# KiCad board Left.kicad_pcb (continued)
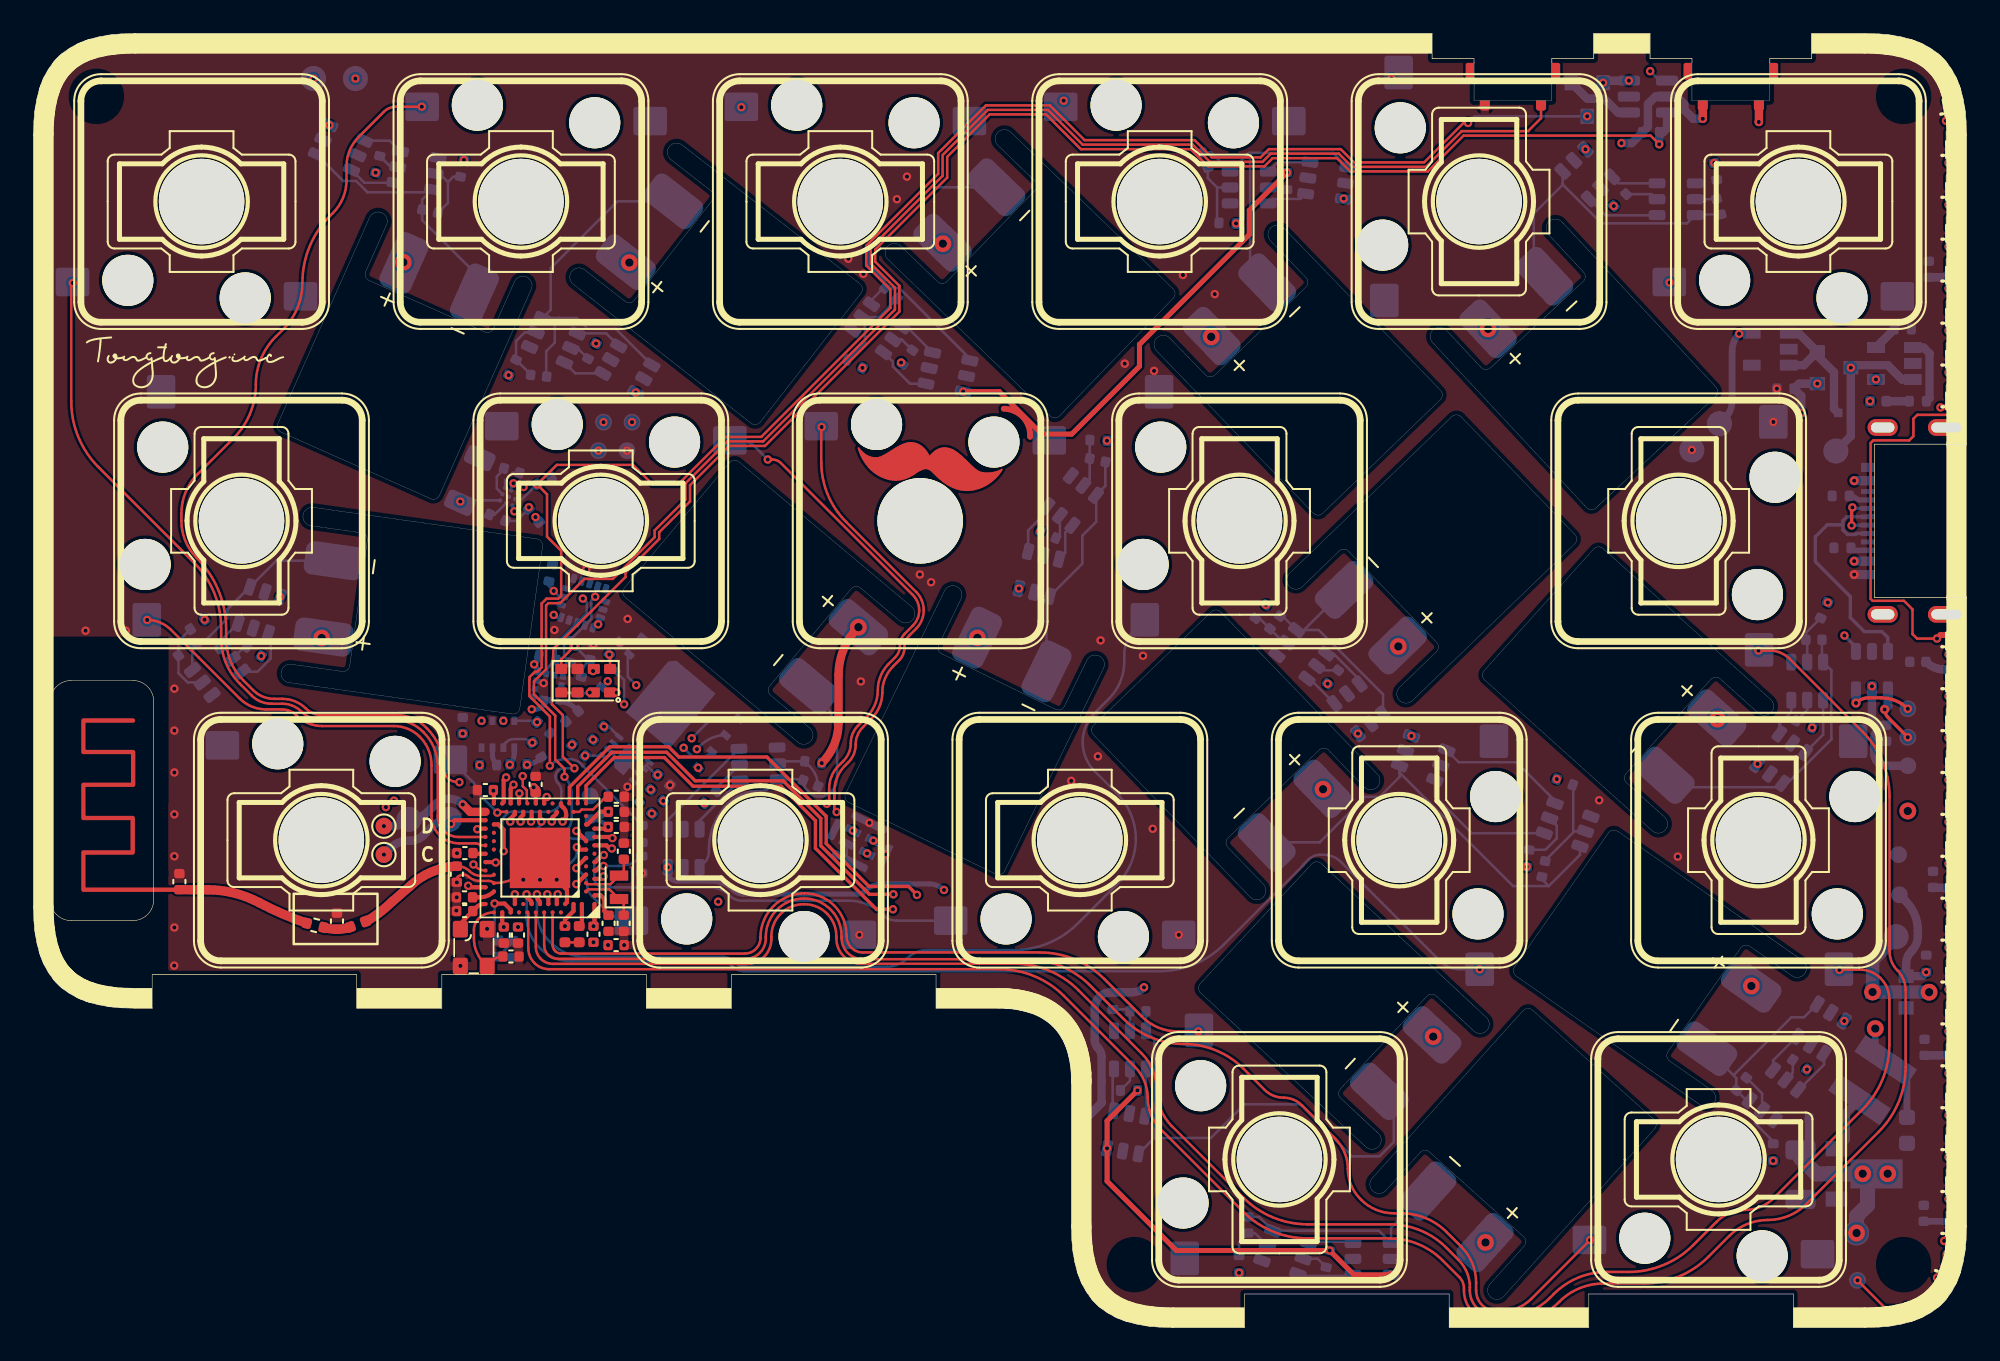
[diagram p0: board, top side]
## Footprints (pads in the part's own frame, mm; a bottom-side part is the same pattern mirrored in y, then rotated) (continued)
SOT-23-6-Small#2
  rrect 1x0.6 smd: 1(-1.137,0.95) 2(-1.137,0) 3(-1.137,-0.95) 4(1.137,-0.95) 5(1.137,0) 6(1.137,0.95)
SOT-89-3
  rect 1.3x0.9 smd: 1(-1.65,1.5) 3(-1.65,-1.5)
  custom 4.6x1.733 smd: 2(-1.562,0)
SPK0415HM4H
  rrect 0.45x0.95 smd: 1(0.425,-0.675) 2(0.425,0.675) 3(-0.425,0.675) 4(-0.425,-0.675)
  rrect 1.3x0.45 smd: 5(0,-1.688) 7(0,1.688)
  rrect 0.45x2.3 smd: 6(1.275,0.05) 8(-1.275,0)
TestPoint_Pad_D1.0mm
  round 1 smd: 1(0,0)
TestPoint_Pad_D1.5mm
  round 1.5 smd: 1(0,0)
USB-C_C168688
  rect 0.54x0.8 smd: A1(-3.205,-0.4) A1(3.195,-0.4) A4(-2.405,-0.4) A4(2.395,-0.4)
  rect 0.3x0.8 smd: A5(1.245,-0.4) A6(0.245,-0.4) A7(-0.255,-0.4) A8(-1.255,-0.4) B5(-1.755,-0.4) B6(-0.755,-0.4) B7(0.745,-0.4) B8(1.753,-0.4)
  oval 1x2.2 hole 0.6x1.8: S1(-5.58,4.3) S2(5.57,4.3)
  oval 1x1.8 hole 0.6x1.4: S3(5.571,0.5) S4(-5.58,0.5)
WLP-9_1.448x1.468mm_Layout3x3_P0.4mm_Ball0.27mm_Pad0.25mm
  round 0.27 smd: A1(-0.4,0.4) A2(0,0.4) A3(0.4,0.4) B1(-0.4,0) B2(0,0) B3(0.4,0) C1(-0.4,-0.4) C2(0,-0.4) C3(0.4,-0.4)
WSON8
  rrect 0.6x0.4 smd: 1(-3.75,1.905) 2(-3.75,0.635) 3(-3.75,-0.635) 4(-3.77,-1.905) 5(3.73,-1.905) 6(3.75,-0.635) 7(3.75,0.635) 8(3.75,1.905)
  rrect 3.4x4.3 smd: 9(0,0)

## Nets
/ExtVcc/GND_EN: Q33.1 R46.1 REF**#21.1 U30.R1
/Filter&Reg/VBAT: C42.1 Q1.3 Q2.3 R40.1 REF**#7.1 U31.B1 U33.3
GND: C16.1 C17.1 C18.1 C19.1 C20.1 C21.2 C22.2 C23.2 C24.1 C25.1 C26.1 C27.1 C28.1 C29.2 C30.2 C31.1 C32.1 C33.1 C34.1 C35.1 C36.1 C37.1 C38.2 C39.1 C40.2 C41.1 C42.2 C43.2 C44.2 C45.1 C46.2 C47.1 C48.1 C49.2 J1.A1 K1.1 K2.2 K3.2 K4.2 K5.1 K6.1 K7.2 K8.1 K9.2 K10.2 K11.1 K12.1 K13.1 K14.1 K15.1 K16.1 K17.1 K18.1 Q33.2 R1.2 R33.2 R34.2 R38.2 R41.2 R42.2 R45.2 R46.2 R47.2 R50.1 REF**#4.1 REF**#5.1 REF**#8.1 REF**#16.1 U1.2 U28.2 U29.2 U30.B7 U30.EP U30.F23 U31.A3 U32.1 U33.2 U34.4 U34.8 U34.9 U34.10 U34.11 U34.12 U34.13 U34.15 U35.1 U35.7 U36.2 U36.7 U36.8 U36.9 U37.6 U38.2 U38.5 U38.6 U38.7 U38.8 U39.4 U40.2 U40.3 U40.9 U40.12 X2.2 X2.4
GND1: Q3.3 Q4.3 Q5.3 Q6.3 Q7.3 Q8.3 Q9.3 Q10.3 Q19.3 Q20.3 Q21.3 Q22.3 Q27.3 Q28.3 R2.2 R3.1 R4.1 R5.1 R6.1 R7.1 R8.1 R9.1 R10.1 R19.1 R20.1 R21.1 R22.1 R27.1 R28.1 R42.1 REF**#14.1 TH1.2 U2.2 U3.2 U31.C3
VBUS: C21.1 D1.2 D4.2 J1.A4 Q1.1 R1.1 REF**#13.1 U28.5 U30.AD2 U33.4
/BAROMETRIC/CSB: R48.1 U35.2
/BAROMETRIC/NRF_VDD: C24.2 C25.2 C28.2 C31.2 C32.2 C33.2 C43.1 C45.2 C46.1 C47.2 C48.2 L4.1 R35.2 R36.2 R37.2 R48.2 R49.2 R51.2 R52.2 R53.2 R54.2 R55.2 R56.2 REF**#19.1 REF**#22.1 U1.5 U30.A22 U30.AD14 U30.AD23 U30.B1 U30.W1 U30.Y2 U34.1 U34.5 U34.16 U35.6 U35.8 U36.5 U36.6 U37.5 U37.8 U38.1 U39.8 U40.5 U40.6 U40.10
/BAROMETRIC/SDO: R50.2 U35.5
/FLASH/QSPI_CS: U30.AD16 U39.1
/FLASH/QSPI_DATA0: U30.AD12 U39.5
/FLASH/QSPI_DATA1: U30.AD18 U39.2
/FLASH/QSPI_DATA2: U30.AC19 U39.3
/FLASH/QSPI_DATA3: U30.AC17 U39.7
/FLASH/QSPI_SCK: U30.AC15 U39.6
/FuelGauge/BatteryPin: R40.2 R41.1 U30.J1
/Gyro/Gyro_Interupt: R47.1 U30.B19 U34.7
/LEDLane/DIN: REF**#20.1 U27.4 U30.W24
/LEDLane/Led_Ground: Q33.3 REF**#11.1 U4.3 U5.3 U6.3 U7.3 U8.3 U9.3 U10.3 U11.3 U12.3 U13.3 U14.3 U15.3 U16.3 U17.3 U18.3 U19.3 U20.3 U21.3 U22.3 U23.3 U24.3 U25.3 U26.3 U27.3
/LEDLane/Led_Vin: C16.2 C17.2 C18.2 C19.2 C20.2 C44.1 D3.1 REF**#3.1 REF**#18.1 U4.2 U5.2 U6.2 U7.2 U8.2 U9.2 U10.2 U11.2 U12.2 U13.2 U14.2 U15.2 U16.2 U17.2 U18.2 U19.2 U20.2 U21.2 U22.2 U23.2 U24.2 U25.2 U26.2 U27.2 U32.2
/LIGHT/APDS_IRQ: R54.1 U30.AD22 U37.2
/MCU/BatOffPin: R2.1 U3.3 U30.Y23
/MCU/D+: REF**#17.1 U28.4 U30.AD6
/MCU/D-: REF**#23.1 U28.6 U30.AD4
/MCU/PDM_CLK: U30.H2 U38.3
/MCU/PDM_DAT: U30.G1 U38.4
/MCU/SWC: REF**#2.1 REF**#6.1 U30.AA24
/MCU/SWD: REF**.1 REF**#9.1 U30.AC24
B1-: B1.1 C1.2 Q3.1 Q11.6
B2-: B2.1 C2.2 Q4.1 Q12.6
B3-: B3.1 C3.2 Q5.1 Q13.6
B4-: B4.1 C4.2 Q6.1 Q14.6
B5-: B5.1 C5.2 Q7.1 Q15.6
B6-: B6.1 C6.2 Q8.1 Q16.6
B7-: B7.1 C7.2 Q9.1 Q17.6
B8-: B8.1 C8.2 Q10.1 Q18.6
B9-: B9.1 C9.2 Q19.1 Q23.6
B10-: B10.1 C10.2 Q20.1 Q24.6
B11-: B11.1 C11.2 Q21.1 Q25.6
B12-: B12.1 C12.2 Q22.1 Q26.6
B13-: B13.1 C13.2 Q27.1 Q30.6
B14-: B14.1 C14.2 Q28.1 Q31.6
B+: B1.2 B2.2 B3.2 B4.2 B5.2 B6.2 B7.2 B8.2 B9.2 B10.2 B11.2 B12.2 B13.2 B14.2 Q2.2 R11.1 R12.1 R13.1 R14.1 R15.1 R16.1 R17.1 R18.1 R23.1 R24.1 R25.1 R26.1 R30.1 R31.1 REF**#12.1 U3.6
CC1: J1.A5 R33.1
CC2: J1.B5 R34.1
DCCH: U30.AB2
P0.02: K18.2 U30.A12
P0.03: K10.1 U30.B13
P0.06: K14.2 U30.L1
P0.07: K13.2 U30.M2
P0.08: U30.N1
P0.09: K3.1 U30.L24
P0.10: K4.1 U30.J24
P0.13: K6.2 U30.AD8
P0.14: K5.2 U30.AC9
P0.15: U30.AD10
P0.16: U30.AC11
P0.24: K2.1 U30.AD20
P0.25: K12.2 U30.AC21
P0.28: K9.1 U30.B11
P0.29: K17.2 U30.A10
P0.30: K8.2 U30.B9
P0.31: U30.A8
P1.03: U30.V23
P1.04: K1.2 U30.U24
P1.05: U30.T23
P1.06: K7.1 U30.R24
P1.07: U30.P23
P1.12: U30.B17
P1.13: K11.2 U30.A16
P1.14: K15.2 U30.B15
P1.15: K16.2 U30.A14
PROG: U30.K2
SCL: R36.1 R49.1 R53.1 R55.1 REF**#10.1 U30.T2 U31.A2 U34.2 U35.4 U36.4 U37.7 U40.1
SDA: R37.1 R51.1 R52.1 R56.1 REF**#15.1 U30.U1 U31.C1 U34.3 U35.3 U36.1 U37.1 U40.11
Net-(AE1-Pad1): AE1.1 C40.1 R39.2
Net-(C1-Pad1): C1.1 Q11.5 R11.2
Net-(C2-Pad1): C2.1 Q12.5 R12.2
Net-(C3-Pad1): C3.1 Q13.5 R13.2
Net-(C4-Pad1): C4.1 Q14.5 R14.2
Net-(C5-Pad1): C5.1 Q15.5 R15.2
Net-(C6-Pad1): C6.1 Q16.5 R16.2
Net-(C7-Pad1): C7.1 Q17.5 R17.2
Net-(C8-Pad1): C8.1 Q18.5 R18.2
Net-(C9-Pad1): C9.1 Q23.5 R23.2
Net-(C10-Pad1): C10.1 Q24.5 R24.2
Net-(C11-Pad1): C11.1 Q25.5 R25.2
Net-(C12-Pad1): C12.1 Q26.5 R26.2
Net-(C13-Pad1): C13.1 Q30.5 R30.2
Net-(C14-Pad1): C14.1 Q31.5 R31.2
Net-(C22-Pad1): C22.1 U30.D2 X1.1
Net-(C23-Pad1): C23.1 U30.F2 X1.2
Net-(C26-Pad2): C26.2 U30.C1
Net-(C27-Pad2): C27.2 U30.AC5
Net-(C29-Pad1): C29.1 C30.1 L1.1 U30.B5 U30.E24
Net-(C34-Pad2): C34.2 U30.N24
Net-(C35-Pad2): C35.2 L3.1 U30.H23
Net-(C36-Pad2): C36.2 U30.A23 X2.3
Net-(C37-Pad2): C37.2 U30.B24 X2.1
Net-(C38-Pad1): C38.1 U30.D23
Net-(C39-Pad2): C39.2 L3.2 R39.1
Net-(C41-Pad2): C41.2 U31.B3
Net-(C49-Pad1): C49.1 U40.4
Net-(D1-Pad1): D1.1 Q1.2 U1.1 U1.3
Net-(D2-Pad1): D2.1 R38.1
Net-(D2-Pad2): D2.2 U30.A20
Net-(D3-Pad2): D3.2 L4.2 U32.3
Net-(D4-Pad1): D4.1 R44.1
Net-(J1-PadA6): J1.A6 J1.B6 U28.3
Net-(J1-PadA7): J1.A7 J1.B7 U28.1
Net-(JP1-Pad1): JP1.1 JP2.2 R35.1 U29.3
Net-(JP1-Pad2): JP1.2 U30.P2
Net-(JP2-Pad1): JP2.1 U30.AC13
Net-(L1-Pad2): L1.2 L2.1
Net-(L2-Pad2): L2.2 U30.B3
Net-(Q2-Pad1): Q2.1 U3.4
Net-(Q10-Pad4): Q10.4 Q18.3
Net-(Q10-Pad6): Q10.6 Q18.1
Net-(Q11-Pad1): Q3.6 Q11.1
Net-(Q11-Pad2): Q11.2 R3.2
Net-(Q11-Pad3): Q3.4 Q11.3
Net-(Q12-Pad1): Q4.6 Q12.1
Net-(Q12-Pad2): Q12.2 R4.2
Net-(Q12-Pad3): Q4.4 Q12.3
Net-(Q13-Pad1): Q5.6 Q13.1
Net-(Q13-Pad2): Q13.2 R5.2
Net-(Q13-Pad3): Q5.4 Q13.3
Net-(Q14-Pad1): Q6.6 Q14.1
Net-(Q14-Pad2): Q14.2 R6.2
Net-(Q14-Pad3): Q6.4 Q14.3
Net-(Q15-Pad1): Q7.6 Q15.1
Net-(Q15-Pad2): Q15.2 R7.2
Net-(Q15-Pad3): Q7.4 Q15.3
Net-(Q16-Pad1): Q8.6 Q16.1
Net-(Q16-Pad2): Q16.2 R8.2
Net-(Q16-Pad3): Q8.4 Q16.3
Net-(Q17-Pad1): Q9.6 Q17.1
Net-(Q17-Pad2): Q17.2 R9.2
Net-(Q17-Pad3): Q9.4 Q17.3
Net-(Q18-Pad2): Q18.2 R10.2
Net-(Q19-Pad4): Q19.4 Q23.3
Net-(Q19-Pad6): Q19.6 Q23.1
Net-(Q20-Pad4): Q20.4 Q24.3
Net-(Q20-Pad6): Q20.6 Q24.1
Net-(Q21-Pad4): Q21.4 Q25.3
Net-(Q21-Pad6): Q21.6 Q25.1
Net-(Q22-Pad4): Q22.4 Q26.3
Net-(Q22-Pad6): Q22.6 Q26.1
Net-(Q23-Pad2): Q23.2 R19.2
Net-(Q24-Pad2): Q24.2 R20.2
Net-(Q25-Pad2): Q25.2 R21.2
Net-(Q26-Pad2): Q26.2 R22.2
Net-(Q27-Pad4): Q27.4 Q30.3
Net-(Q27-Pad6): Q27.6 Q30.1
Net-(Q28-Pad4): Q28.4 Q31.3
Net-(Q28-Pad6): Q28.6 Q31.1
Net-(Q30-Pad2): Q30.2 R27.2
Net-(Q31-Pad2): Q31.2 R28.2
Net-(R43-Pad1): R43.1 TH1.1 U31.A1
Net-(R43-Pad2): R43.2 U31.C2
Net-(R44-Pad2): R44.2 U33.1
Net-(R45-Pad1): R45.1 U33.5
Net-(U2-Pad3): U2.3 U3.1
Net-(U4-Pad4): U4.4 U5.1
Net-(U5-Pad4): U5.4 U6.1
Net-(U6-Pad4): U6.4 U7.1
Net-(U7-Pad4): U7.4 U8.1
Net-(U8-Pad4): U8.4 U9.1
Net-(U10-Pad1): U9.4 U10.1
Net-(U10-Pad4): U10.4 U11.1
Net-(U11-Pad4): U11.4 U12.1
Net-(U12-Pad4): U12.4 U13.1
Net-(U13-Pad4): U13.4 U14.1
Net-(U14-Pad4): U14.4 U15.1
Net-(U15-Pad4): U15.4 U16.1
Net-(U16-Pad4): U16.4 U17.1
Net-(U17-Pad4): U17.4 U18.1
Net-(U18-Pad4): U18.4 U19.1
Net-(U19-Pad4): U19.4 U20.1
Net-(U20-Pad4): U20.4 U21.1
Net-(U21-Pad4): U21.4 U22.1
Net-(U22-Pad4): U22.4 U23.1
Net-(U23-Pad4): U23.4 U24.1
Net-(U24-Pad4): U24.4 U25.1
Net-(U25-Pad4): U25.4 U26.1
Net-(U26-Pad4): U26.4 U27.1
Net-(U37-Pad3): U37.3 U37.4

Pads without a net: J1 A8 B8 S1 S2 S3 S4; Q3 2 5; Q4 2 5; Q5 2 5; Q6 2 5; Q7 2 5; Q8 2 5; Q9 2 5; Q10 2 5; Q11 4; Q12 4; Q13 4; Q14 4; Q15 4; Q16 4; Q17 4; Q18 4; Q19 2 5; Q20 2 5; Q21 2 5; Q22 2 5; Q23 4; Q24 4; Q25 4; Q26 4; Q27 2 5; Q28 2 5; Q30 4; Q31 4; U1 4; U2 1 4; U3 5; U4 1; U29 1 4; U30 A18; U31 B2; U34 6 14; U36 3; U39 9; U40 7 8

## Via types
v1: diameter 1, hole 0.5, Top to Bottom, 21 vias
v2: diameter 0.5, hole 0.25, Top to Bottom, 340 vias
v3: diameter 0.54, hole 0.25, Top to Bottom, 5 vias

## Routing (per net, layer and track width the routed paths; a pad name or vN(x,y) marks a point on that pad's centre or on a via; arc(x,y) is an arc through that point)
/ExtVcc/GND_EN: length 120.9
  Top w0.25: v2(34.5,28.58) 34.36,28.58 34.17,28.76 U30.R1
  In1.Cu w0.15: v2(112.9,21.2) arc(112.46,20.53) 112.3,19.75 112.3,10.4 arc(112.09,9.33) 111.48,8.42 arc(108.92,6.71) 105.9,6.11 102.52,6.11 arc(101.27,5.87) 100.22,5.16 99.11,4.05 arc(97.84,3.2) 96.33,2.9 92.61,2.9 arc(91.92,2.77) 91.33,2.37 arc(89.69,1.28) 87.76,0.89 86.46,0.89 arc(86.04,0.98) 85.69,1.21 arc(85.39,1.66) 85.29,2.18 85.29,2.24 arc(85.21,2.62) 85,2.94 arc(84.09,3.55) 83.02,3.76 76.9,3.76 arc(74.06,4.33) 71.66,5.93 71.18,6.41 arc(70.88,6.87) 70.77,7.4 arc(70.11,8.99) 68.52,9.65 68.4,9.65 arc(67.15,9.9) 66.1,10.61 64.66,12.05 arc(63.74,13.42) 63.42,15.03 63.42,15.24 arc(63.01,17.29) 61.85,19.03 arc(60.07,20.23) 57.96,20.64 57.55,20.64 arc(56.21,20.91) 55.07,21.67 54.7,22.04 arc(52.15,23.75) 49.15,24.34 48.62,24.34 arc(48.19,24.43) 47.82,24.68 47.55,24.94 arc(46.83,25.42) 45.98,25.59 45.84,25.59 arc(45.03,25.43) 44.34,24.97 44.16,24.79 arc(43.78,24.54) 43.34,24.45 43.2,24.45 arc(42.59,24.57) 42.07,24.92 41.45,25.54 arc(40.67,26.07) 39.74,26.25 38.86,26.25 arc(38.15,26.11) 37.55,25.71 37.51,25.66 arc(36.88,25.24) 36.13,25.09 33.6,25.09 arc(32.79,25.25) 32.1,25.71 arc(31.85,26.09) 31.76,26.53 31.76,27.44 arc(31.94,27.87) 32.37,28.05 32.55,28.05 arc(32.92,28.13) 33.23,28.33 33.44,28.54 arc(33.6,28.65) 33.78,28.68 34.24,28.68 arc(34.38,28.66) v2(34.5,28.58)
  Bottom w0.5: REF**#21.1 111.67,25.44 arc(112.21,24.64) 112.4,23.68 112.4,23.37 arc(112.3,22.87) 112.02,22.45 arc(111.78,22.1) 111.7,21.68 Q33.1 112.67,20.96 v2(112.9,21.2)
/Filter&Reg/VBAT: length 140.9
  Top w0.15: v2(30.8,33.51) 30.8,36.45 29.58,37.67 29.58,38.69 29.6,38.81 29.91,39.12 30.04,39.12 30.3,39.38 30.3,43.19 30.6,43.48 31.3,43.48 31.47,43.66 31.47,46.34 30.63,47.18 30.63,49.7 v2(30.04,50.29) 31.21,51.46 35.76,51.46 36.93,50.29 38.44,50.29 41.28,53.13 43.41,53.13 51.11,60.84 51.11,61.92 49.67,63.36 49.67,64.54 53.96,68.83 53.96,70.06 56.81,72.91 60.62,72.91 62.7,70.84 69.26,70.84 70.28,69.81 73.2,69.81 73.69,70.3 77.97,70.3 78.76,69.51 82.95,69.51 85.3,71.86 v2(85.57,71.86)
  In1.Cu w0.5: v2(108.4,57.26) arc(107.77,57.39) 107.24,57.74 104.11,60.87 arc(103.72,61.46) 103.58,62.15 103.58,62.81 arc(103.43,63.57) 103,64.21 98.85,68.36 arc(98.62,68.52) 98.34,68.57 arc(97.99,68.64) 97.69,68.84 95.4,71.14 arc(94.15,71.97) v2(92.68,72.26)
  Bottom w0.15: C42.1 29.13,49.41 U31.B1 ; v2(30.8,33.51) 30.84,33.55 arc(31.23,33.81) 31.69,33.9 32,33.9 arc(32.34,33.84) 32.63,33.64 36.3,29.98 arc(36.31,29.96) R40.1 ; v2(92.68,72.26) 85.97,72.26 v2(85.57,71.86)
  Bottom w0.5: REF**#7.1 108.4,53.18 v2(108.4,57.26) 108.55,57.41 110.6,57.41 111.45,56.56 111.9,56.56
GND: length 13.1
  Top w0.15: C35.1 25.25,26.74 arc(25.27,26.82) 25.31,26.88 arc(25.44,26.97) 25.6,27 25.73,27 arc(25.83,26.98) 25.92,26.92 arc(26.23,26.72) 26.6,26.64 27.15,26.64 arc(27.32,26.61) U30.F23 arc(28.62,26.74) 29.59,27.4 U30.EP
  Top w0.25: v2(31.21,26.71) 31.82,26.1 31.82,25.37 U30.B7
  Bottom w0.15: U38.2 48.51,28.03 ; U31.A3 28.13,50.54 28.58,50.99 C41.1 ; U36.7 35.35,33.71 ; U40.9 30.28,38.59 v2(30.43,38.44) ; 34.85,33.91 U36.2
  Bottom w0.54: J1.A1 v3(108.6,44.92)
  vias: v2(0.62,71.57) v2(0.6,69.07) v2(0.6,66.57) v2(0.6,64.07) v2(0.6,61.57) v2(0.6,59.07) v2(0.6,56.57) v2(0.6,54.07) v2(0.6,51.57) v2(0.6,49.07) v2(0.6,46.57) v2(0.6,44.07) v2(0.6,41.57) v2(1.04,74.03) v2(2.67,75.92) v2(3.1,41.57) v2(5.09,76.56) v2(5.5,41.57) v2(7.59,76.6) v2(8.4,38.11) v2(8.4,35.61) v2(8.4,33.11) v2(8.4,30.61) v2(8.4,28.11) v2(8.4,23.86) v2(8.39,21.59) v2(10.09,76.6) v2(12.59,76.6) v2(15.09,76.6) v2(17.59,76.6) v2(20.09,76.6) v2(20.55,19.66) v2(22.59,76.6) v2(23.05,19.66) v2(25.25,26.55) v2(25.24,25.66) v2(25.22,24.87) v2(25.26,28.29) v2(25.46,21.57) v2(27.06,23.78) v2(29.21,26.71) v2(30.21,26.71) v2(31.07,41.61) v2(32.97,45.24) v2(33.4,40.78) v2(33.4,22.98) v2(34.96,40.88) v2(35.23,22.81) v2(35.4,52.31) v2(35.44,42.27) v2(35.43,32.26) v2(36.3,27.1) v2(37.7,19.66) v2(37.97,32.35) v2(40.2,19.66) v2(48.6,63.76) v2(49.35,38.54) v2(49.26,23.43) v2(49.5,62.86) v2(49.86,30.11) v2(50.82,28.22) v2(51.5,67.31) v2(52.1,68.66) v2(52.87,44.92) v2(53.54,44.46) v2(54.45,19.66) v2(56.95,19.66) v2(59.45,19.41) v2(61.55,18.01) v2(61.9,32.61) v2(62.45,15.66) v2(62.52,13.16) v2(62.52,10.66) v2(62.52,8.16) v2(62.52,5.66) v2(62.94,3.2) v2(63.49,34.07) v2(63.65,40.99) v2(64.56,1.29) v2(65.09,57.5) v2(66.18,40.07) v2(66.84,57.07) v2(66.76,29.75) v2(66.97,0.64) v2(68.31,23.43) v2(68.56,62.79) v2(69.47,0.6) v2(70.46,61.65) v2(71.64,0.6) v2(93.39,31.45) v2(94.76,76.59) v2(98.08,28.09) v2(98.92,52.35) v2(103.78,54.03) v2(103.99,56.01) v2(107.38,76.59) v2(109.88,76.57) v2(112.33,76.07) v2(114.13,74.33)
GND1: length 343.5
  Top w0.3: v2(74.77,68.9) 72.52,66.65 72.52,65.2 65.97,58.65 65.97,57.34 61.93,53.3 60.14,53.3 57.61,55.84 v2(55.46,55.84) ; v2(80.98,3.14) 78.76,3.14 v2(77.32,4.59) 68.17,4.59 64.04,8.73 v2(64.04,10.69) 64.04,12.33 v2(65.85,14.14)
  Top w0.35: 57.88,54.81 arc(59.02,54.32) 59.45,53.14
  Top w0.5: U2.2 99.57,72.11 v2(99.57,72.11)
  In1.Cu w0.3: v2(35.93,55.78) 33.95,57.76 arc(33.66,58.19) v2(33.56,58.7) ; v2(35.93,55.78) 36.63,55.78 arc(38.07,55.49) 39.3,54.67 40.08,53.89 arc(41.21,53.14) 42.54,52.87 arc(43.96,53.16) 45.17,53.96 46.22,55.02 arc(47.25,55.7) 48.46,55.94 arc(50,56.25) 51.3,57.12 v2(51.75,57.57) ; v2(35.93,55.78) 35,54.86 arc(34.83,54.6) 34.77,54.29 34.77,53.84 arc(34.73,53.64) 34.62,53.47 34.47,53.32 arc(34.19,53.14) 33.87,53.07 arc(33.62,53.02) 33.41,52.88 31.27,50.74 arc(30.88,50.16) 30.74,49.46 arc(30.68,49.17) 30.52,48.93 v2(29.94,48.35) arc(29.63,48.15) 29.27,48.07 28.74,48.07 arc(28.49,48.12) 28.28,48.26 28.12,48.42 arc(27.17,49.06) 26.06,49.28 v2(25.46,49.28) ; 98.21,28.99 v2(102.84,33.62) 104.23,35.01 arc(105.09,35.59) v2(106.1,35.79) ; 98.21,28.99 100.99,26.21 arc(101.38,25.95) 101.83,25.86 arc(102.59,25.71) 103.23,25.28 106.24,22.27 arc(106.57,21.78) 106.69,21.19 arc(106.84,20.44) 107.27,19.79 107.46,19.6 arc(107.87,19) v2(108.01,18.28) ; 98.21,28.99 96.96,28.99 arc(96.05,29.18) 95.27,29.69 94.97,29.99 arc(94.69,30.18) 94.37,30.24 94.17,30.24 arc(93.87,30.18) 93.61,30.01 92.51,28.91 arc(90.93,27.86) v2(89.07,27.49) ; v2(78.15,67.35) 76.32,67.35 v2(74.77,68.9) ; v2(94.26,66.91) 93.77,67.4 arc(92.88,68.73) v2(92.57,70.29) arc(92.99,70.57) 93.47,70.66 v2(94.72,70.66) ; v2(37.83,27.46) 37.83,27.52 arc(38.01,28.42) 38.52,29.18 39.59,30.25 arc(39.9,30.72) v2(40.01,31.28) ; v2(77.19,38.41) arc(76.91,38.46) 76.66,38.63 71.96,43.33 arc(70.98,43.98) 69.82,44.21 arc(68.88,44.03) 68.08,43.49 68.03,43.44 arc(67.33,42.98) 66.52,42.81 61.86,42.81 arc(60.19,43.15) v2(58.78,44.09) ; v2(54.31,26.1) arc(54.68,26.35) 55.12,26.44 57.79,26.44 arc(58.77,26.24) 59.6,25.69 63.99,21.3 arc(65.37,19.24) 65.85,16.8 v2(65.85,14.14) 65.85,16.8 arc(66.14,18.27) 66.97,19.51 72.23,24.77 arc(72.5,24.95) 72.82,25.01 72.88,25.01 arc(73.2,25.08) 73.47,25.26 73.83,25.62 arc(74.05,25.94) 74.12,26.33 74.12,26.44 arc(74.21,26.85) 74.44,27.21 78.26,31.02 arc(78.69,31.31) 79.2,31.41 arc(79.86,31.55) 80.42,31.92 80.57,32.06 80.78,32.06 80.91,32.2 arc(81.86,33.62) v2(82.19,35.29)
  In2.Cu w0.3: v2(78.15,67.35) 78.73,67.35 arc(80.93,67.79) 82.79,69.03 83.23,69.47 arc(84.6,70.39) 86.23,70.71 91.55,70.71 arc(92.11,70.6) v2(92.57,70.29) ; v2(16.7,74.51) 16.7,74.04 arc(16.95,72.79) v2(17.66,71.73) arc(17.67,71.66) 17.71,71.59 v2(20.41,68.9) arc(21.21,68.74) 21.89,68.28 24.95,65.22 arc(26.35,64.29) 27.99,63.96 29.39,63.96 arc(30.44,63.53) 30.88,62.47 30.88,61.64 arc(31.08,60.65) 31.64,59.82 32.18,59.27 arc(32.81,58.85) v2(33.56,58.7) ; v2(108.01,18.28) 106.25,16.53 arc(105.9,16.01) v2(105.78,15.4) ; v2(77.19,38.41) 78.18,37.42 arc(78.79,36.51) v2(79,35.43) 81.85,35.43 arc(82.03,35.4) v2(82.19,35.29) arc(82.57,33.41) 83.63,31.81 87.17,28.28 arc(88.04,27.69) v2(89.07,27.49) ; v2(58.78,44.09) arc(59.72,45.5) 60.05,47.17 v2(60.05,47.51) arc(58.96,47.73) 58.04,48.35 55.61,50.78 arc(54.82,51.96) 54.54,53.35 54.54,53.63 arc(54.78,54.82) v2(55.46,55.84) 55.12,56.18 arc(53.57,57.21) v2(51.75,57.57) ; v2(13.58,40.06) arc(14.42,41.32) 14.72,42.8 v2(14.72,43.59) 14.72,43.85 arc(14.83,44.43) 15.16,44.92 arc(15.4,45.29) 15.49,45.72 15.49,48.4 arc(15.63,49.08) 16.01,49.65 arc(16.41,49.92) 16.88,50.01 19.83,50.01 arc(20.71,49.84) 21.45,49.34 arc(22.1,48.91) 22.87,48.75 24.19,48.75 arc(24.87,48.89) v2(25.46,49.28)
  Bottom w0.15: v2(29.94,48.35) 29.94,48.26 TH1.2 ; U31.C3 25.57,49.34
  Bottom w0.3: v2(37.83,27.46) 37.83,27.17 arc(37.99,26.79) 38.37,26.63 40.42,26.63 arc(41.14,26.49) 41.75,26.08 arc(42,25.91) 42.31,25.85 49.14,25.85 arc(49.39,25.9) 49.6,26.04 arc(50.07,26.35) 50.61,26.46 53.44,26.46 arc(53.91,26.37) v2(54.31,26.1)
  Bottom w0.5: 98.01,73.44 98.47,72.98 98.47,72.64 99,72.11 v2(99.57,72.11) ; U3.2 96.75,73.44 96.3,72.99 96.3,71.63 95.33,70.66 v2(94.72,70.66)
VBUS: length 137.6
  Top w0.2: v2(51.26,24.95) 50.28,24.95 46.64,28.59 46.64,30.24 44.59,32.29 39.34,32.29 37.63,34 34.63,34 32.96,32.33 U30.AD2
  In2.Cu w0.2: v2(51.26,24.95) 53.66,22.55 arc(53.96,22.35) 54.31,22.28 arc(54.7,22.21) 55.03,21.99 55.75,21.26 arc(56.22,20.95) 56.76,20.84 58.25,20.84 arc(60.27,20.44) 61.99,19.29 62.07,19.22 arc(63.21,17.51) 63.61,15.49 63.61,14.4 arc(63.76,13.66) 64.18,13.04 64.26,12.95 arc(64.95,12.49) 65.76,12.33 66.04,12.33 arc(67.44,12.06) 68.62,11.27 71.98,7.9 arc(74.17,6.44) 76.76,5.92 80.48,5.92 arc(82,5.62) 83.3,4.75 85.33,2.73 arc(85.61,2.3) 85.71,1.8 85.71,1.7 arc(85.88,1.3) 86.28,1.13 90.4,1.13 arc(90.77,1.29) 90.92,1.65 90.92,1.77 arc(91.01,2.23) 91.27,2.61 arc(91.81,2.98) 92.45,3.1 96.43,3.1 arc(98.04,3.42) 99.4,4.33 101.19,6.12 arc(102.13,6.75) 103.24,6.97 arc(104.29,7.18) 105.19,7.78 106.09,8.69 arc(108.07,11.64) 108.76,15.13 108.76,19.93 arc(108.87,20.47) 109.17,20.92 arc(110.13,22.36) 110.47,24.06 110.47,31.94 arc(110.13,33.65) 109.16,35.1 106.59,37.68 arc(106.52,37.72) 106.45,37.73
  Bottom w0.5: U28.5 109.66,36.35 110.08,35.94 C21.1 arc(110.32,35.9) 110.16,35.79 109.99,35.62 arc(109.85,35.41) 109.8,35.16 109.8,34.24 arc(110.01,33.73) 110.52,33.51 REF**#13.1 ; v2(105.45,54.56) 105.45,55.57 R1.1 105.31,56.31 v2(106.4,56.31)
  Bottom w0.54: J1.A4 v3(108.6,50.52) ; J1.A4 v3(108.6,45.72)
  vias: v2(109.55,55.26) v2(109.66,38.26) v2(109.9,56.56)
/BAROMETRIC/CSB: length 1.1
  Bottom w0.3: U35.2 27.38,34.16 arc(27.44,33.83) R48.1
/BAROMETRIC/NRF_VDD: length 164.9
  Top w0.15: 34.39,39.26 34.39,40.1 v2(34.34,40.15) ; v2(32.27,40.66) 31.48,39.86 31.48,39.26
  Top w0.25: v2(34.28,29.86) 34.18,29.76 U30.W1 ; C31.2 29.96,31.91 U30.AD14 ; U30.AD23 27.46,32.03 C33.2 ; U30.Y2 33.04,30.01 33.8,30.77 v2(34.29,30.77) ; v2(28.05,23.89) 27.96,23.98 U30.A22 ; v2(33.4,23.94) 33.46,24 U30.B1
  Top w0.5: v2(29.83,32.23) 29.95,32.11 C31.2
  In2.Cu w0.4: 52.53,21.83 53.51,21.83 arc(54.27,21.68) 54.91,21.25 55.42,20.74 arc(55.95,20.39) 56.58,20.26 58.32,20.26 arc(60.08,19.91) 61.58,18.91 61.68,18.81 arc(62.71,17.27) 63.07,15.46 63.07,14.52 arc(63.27,13.5) 63.85,12.63 63.95,12.54 arc(64.74,12.01) 65.67,11.82 arc(67.12,11.54) 68.35,10.71 71.47,7.59 arc(73.97,5.92) 76.92,5.33 80.52,5.33 arc(81.75,5.09) 82.79,4.39 84.86,2.32 arc(85.07,2) 85.15,1.62 arc(85.46,0.88) 86.2,0.57 90.43,0.57 arc(91.17,0.88) 91.48,1.62 arc(91.76,2.3) 92.44,2.58 98.01,2.58 arc(99.34,2.85) 100.47,3.6 100.63,3.76 arc(100.93,4.22) 101.04,4.75 arc(101.13,5.2) 101.38,5.57 101.55,5.74 arc(102.33,6.26) 103.24,6.44 103.53,6.44 arc(104.54,6.64) 105.39,7.21 106.92,8.74 arc(109.1,12) 109.86,15.84 v1(109.86,17.83) arc(110.64,19) 110.91,20.37 110.91,32.18 arc(110.57,33.89) 109.6,35.34 108.24,36.7 arc(107.24,38.2) 106.89,39.96 106.89,40.65 arc(107.08,41.61) 107.63,42.43 arc(107.9,42.83) 107.99,43.3 107.99,43.36 arc(107.91,43.76) 107.69,44.1 107.68,44.1 arc(107.41,44.51) 107.31,45 107.31,51.67 arc(107.3,51.69) 107.29,51.71 107.29,52.39 arc(107.02,53.75) 106.25,54.9 101.96,59.19 arc(101.86,59.26) v2(101.74,59.28)
  In2.Cu w0.5: v2(35.7,54.01) 35.7,53.61 arc(35.76,53.31) 35.93,53.06 arc(36.11,52.79) 36.18,52.46 36.18,52.34 arc(36.31,51.67) 36.69,51.1 arc(37.03,50.59) 37.15,49.98 37.15,48.81 arc(36.83,47.17) 35.9,45.79
  Bottom w0.15: 33.37,41.92 33.56,42.11 ; 33.56,42.11 33.68,41.98 v2(33.68,41.95) ; 33.56,42.11 U34.16 ; v2(31.03,42.51) 31.19,42.36 U34.5 ; 36.56,33.56 37.14,32.97 ; 36.56,33.56 36.41,33.41 ; 36.56,33.56 U36.5 ; v2(32.27,40.66) 33.01,39.92 arc(33.1,39.86) C48.2 33.03,39.68 arc(32.77,39.29) R54.2
  Bottom w0.25: v2(34.28,29.86) 34.23,29.92 arc(33.75,30.23) R35.2 33.25,30.34 arc(33.81,30.46) v2(34.29,30.77)
  Bottom w0.3: v2(29.72,36.88) 29.95,36.88 arc(30.17,36.93) 30.36,37.05 30.43,37.12 arc(30.55,37.3) 30.59,37.51 U40.6 ; R51.2 30.17,33.91 arc(29.83,33.68) R49.2 ; U40.10 arc(30.03,39.32) 29.9,39.53 v2(29.86,39.56) 29.99,39.7 arc(30.11,39.88) R56.2
  Bottom w0.4: REF**#22.1 100.9,54.25 arc(101.21,54.72) 101.32,55.27 101.32,58.27 arc(101.43,58.82) v2(101.74,59.28) 101.77,59.31 U1.5 ; v1(109.86,17.83) 109.86,16.55 ; L4.1 111.75,14.66 111.75,12.54
  vias: v2(25.6,35.43) v2(26.61,33.55) v2(26.72,36.19) v2(27.43,32.02) v2(28.03,36.19) v2(29.44,33.57) v2(32.12,34.77) v2(33.37,35.07) v2(36.82,32.09) v2(37.23,32.97) v2(37.57,31.42) v2(39.65,33.39) v2(49.72,28.29)
/BAROMETRIC/SDO: length 1.3
  Bottom w0.15: U35.5 29.96,36.19
  vias: v2(30.03,36.12)
/FLASH/QSPI_CS: length 12.6
  Top w0.15: v2(29.18,32.89) 29.18,32.29 29.42,32.05 29.42,31.3 U30.AD16
  In1.Cu w0.15: v2(34.25,38.56) arc(34.29,38.49) 34.31,38.41 34.31,37.45 arc(34.36,37.2) 34.5,36.99 arc(34.59,36.86) 34.62,36.7 34.62,36 arc(34.39,34.87) 33.75,33.9 32.64,32.79 arc(32.21,32.5) 31.7,32.4 31.61,32.4 arc(31.29,32.47) 31.01,32.65 arc(30.57,32.95) 30.04,33.05 29.57,33.05 arc(29.36,33.01) v2(29.18,32.89)
  Bottom w0.15: v2(34.25,38.56) 33.91,38.21
/FLASH/QSPI_DATA0: length 13.7
  Top w0.25: v2(30.61,31.65) 30.46,31.5 U30.AD12
  In1.Cu w0.15: v2(30.61,31.65) arc(30.75,31.56) 30.91,31.52 31.64,31.52 arc(32.53,31.7) 33.28,32.2 35.36,34.29 arc(36.31,34.92) 37.43,35.14 39.24,35.14 arc(39.25,35.15) v2(39.26,35.15)
  Bottom w0.15: v2(39.26,35.15) 40.12,36.01 arc(40.45,36.23) 40.85,36.31 42.05,36.31 arc(42.07,36.32) U39.5
/FLASH/QSPI_DATA1: length 12.7
  Top w0.25: v2(28.98,31.86) 28.96,31.84 U30.AD18
  In1.Cu w0.15: v2(28.98,31.86) arc(29.01,32.03) 29.11,32.17 29.45,32.51 arc(29.67,32.66) 29.94,32.71 30.21,32.71 arc(30.52,32.65) 30.79,32.47 arc(31.18,32.21) 31.63,32.12 31.69,32.12 arc(32.31,32.25) 32.83,32.6 34.04,33.81 arc(34.91,35.1) 35.21,36.62 35.21,37.14 arc(35.21,37.16) v2(35.23,37.18)
  Bottom w0.15: v2(35.23,37.18) 35.23,38.64 34.72,39.14
/FLASH/QSPI_DATA2: length 15.2
  Top w0.25: v2(28.44,30.18) 28.44,30.35 28.71,30.62 U30.AC19
  In1.Cu w0.15: v2(28.44,30.18) 28.44,30.2 30.16,31.93 arc(30.38,32.07) 30.64,32.12 30.64,32.12 arc(30.79,32.09) 30.91,32.01 arc(31.13,31.87) 31.39,31.81 31.66,31.81 arc(32.41,31.96) 33.04,32.39 34.46,33.8 arc(35.55,35.43) 35.93,37.35 35.93,38.28 arc(35.94,38.3) v2(35.95,38.32)
  Bottom w0.15: 35.45,40.07 35.45,38.82 v2(35.95,38.32)
/FLASH/QSPI_DATA3: length 13.8
  Top w0.25: v2(29.05,30.18) 29.05,30.43 29.21,30.58 U30.AC17
  In1.Cu w0.15: v2(38.78,34.58) 37.97,34.58 arc(36.22,34.24) 34.74,33.25 33.48,31.98 arc(32.55,31.36) 31.45,31.14 30.65,31.14 arc(29.96,31.01) 29.37,30.61 29.14,30.38 arc(29.08,30.29) v2(29.05,30.18)
  Bottom w0.15: v2(38.78,34.58) 39.16,34.2 arc(39.37,34.06) 39.62,34.01 39.71,34.01 arc(40.08,34.09) 40.4,34.3 U39.7
/FLASH/QSPI_SCK: length 13.8
  Top w0.25: v2(29.67,30.18) 29.71,30.22 U30.AC15
  In1.Cu w0.15: v2(29.67,30.18) arc(29.69,30.28) 29.75,30.36 29.95,30.56 arc(30.26,30.77) 30.63,30.84 31.37,30.84 arc(32.64,31.1) 33.71,31.81 34.48,32.59 arc(35.8,33.46) 37.35,33.77 37.81,33.77 arc(38.76,33.96) v2(39.57,34.5)
  Bottom w0.15: v2(39.57,34.5) 39.79,34.72 arc(40.47,35.18) U39.6
/FuelGauge/BatteryPin: length 3.9
  Top w0.25: v2(34,27.53) 33.82,27.53 33.55,27.26 U30.J1
  Bottom w0.15: 36.3,28.91 R41.1 arc(35.65,27.69) 34.88,27.53 v2(34,27.53)
/Gyro/Gyro_Interupt: length 24
  Top w0.25: U30.B19 v2(28.71,25.84)
  In1.Cu w0.15: v2(28.71,25.84) 28.71,28.09 arc(28.65,28.41) 28.47,28.67 27.93,29.21 arc(27.83,29.28) 27.71,29.3 arc(27.61,29.32) 27.52,29.38 27.06,29.84 arc(26.56,30.59) 26.39,31.46 26.39,32.12 arc(26.46,32.47) 26.66,32.77 27.49,33.6 arc(27.54,33.68) 27.56,33.77 arc(27.59,33.92) 27.67,34.05 28.7,35.08 arc(29.14,35.37) 29.66,35.47 29.98,35.47 arc(30.57,35.59) 31.07,35.92 arc(31.48,36.53) 31.62,37.25 31.62,42.52 arc(31.47,43.29) v2(31.03,43.94)
  Bottom w0.15: U34.7 31.38,43.59 v2(31.03,43.94) 30.74,44.23 R47.1
/LEDLane/DIN: length 108.4
  Top w0.15: v2(108.8,2.81) 110.41,1.2 v2(111.72,1.2) 112.73,1.2 114.51,2.98
  Top w0.25: v2(26.47,29.73) 26.51,29.76 U30.W24
  In1.Cu w0.15: v2(111.72,1.2) 108.27,1.2 arc(107.24,1.41) 106.36,1.99 arc(105.86,2.33) 105.27,2.44 92.73,2.44 arc(92.03,2.3) 91.43,1.91 arc(89.89,0.88) 88.07,0.51 86.49,0.51 arc(85.43,0.95) 84.99,2.01 arc(84.83,2.4) 84.45,2.55 77.76,2.55 arc(74.74,3.15) 72.18,4.86 70.86,6.18 arc(70.5,6.72) 70.38,7.34 70.38,7.42 arc(69.84,8.72) 68.54,9.26 arc(67.06,9.56) 65.81,10.39 64.52,11.68 arc(63.43,13.32) 63.04,15.26 arc(61.56,18.83) 58,20.3 57.65,20.3 arc(56.07,20.62) 54.73,21.51 54.44,21.8 arc(52,23.43) 49.13,24 48.6,24 arc(48.04,24.12) 47.56,24.43 47.26,24.73 arc(46.68,25.12) 46,25.25 arc(45.24,25.1) 44.6,24.67 44.24,24.32 arc(43.82,24.03) 43.32,23.93 arc(42.39,24.12) 41.6,24.65 v2(40.84,25.4)
  In2.Cu w0.15: v2(26.47,29.73) 28.5,29.73 arc(29.66,29.5) 30.65,28.84 ; 30.65,28.84 30.65,28.84 ; 30.65,28.84 31.23,28.26 arc(31.5,28.08) 31.83,28.01 32.63,28.01 arc(32.86,27.97) 33.05,27.84 arc(33.18,27.64) 33.22,27.42 33.22,27.15 arc(33.28,26.89) 33.42,26.66 arc(33.73,26.46) 34.09,26.39 38.7,26.39 arc(39.77,26.18) 40.67,25.57 v2(40.84,25.4)
/LEDLane/Led_Ground: length 39.1
  Top w0.3: U11.3 113.79,54.93 v2(113.75,54.89)
  Top w0.35: U10.3 v2(114.23,56.97) ; U26.3 114.23,5.43 v2(113.97,5.16) ; U19.3 v2(114.23,22.66) ; U27.3 113.84,3.26 v2(113.55,2.97) ; U17.3 v2(114.23,27.66) ; U15.3 v2(114.23,32.66) ; U20.3 v2(114.23,20.16) ; U18.3 v2(114.23,25.16) ; U16.3 v2(114.23,30.16) ; U9.3 v2(114.23,59.47) ; U5.3 v2(114.23,69.48) ; U12.3 v2(114.23,40.16) ; U21.3 v2(114.23,17.66) ; U22.3 v2(114.23,15.16) ; U25.3 v2(114.23,7.66) ; U23.3 v2(114.23,12.66) ; U24.3 v2(114.23,10.16) ; v2(114.08,71.99) 114.17,72.08 U4.3 ; U14.3 v2(114.23,35.16) ; U8.3 v2(114.23,61.98) ; U13.3 v2(114.23,37.66) ; U6.3 v2(114.23,66.98) ; U7.3 v2(114.23,64.48)
  In1.Cu w0.3: v2(113.75,54.89) 113.56,54.89 111.6,52.94 111.03,52.94 111.02,52.93 109.71,52.93 109.57,52.8 109.57,43.45 109.71,43.31 111.02,43.31 111.47,42.86 111.47,42.23 arc(111.53,41.94) 111.69,41.71 113.23,40.16 v2(114.23,40.16)
  Bottom w0.7: 113.06,20.01 v1(113.07,20)
  Bottom w0.8: 113.06,20.01 v1(109.7,20.01) 109.7,21.91 REF**#11.1
/LEDLane/Led_Vin: length 60.7
  Top w0.3: v2(114.9,41.67) 114.93,41.64 U12.2
  Top w0.35: U23.2 v2(114.93,14.26) ; U4.2 v2(114.64,73.71) ; 114.93,60.63 v2(114.93,61.08) ; U17.2 v2(114.93,29.26) ; U7.2 v2(114.93,66.08) ; U6.2 v2(114.93,68.58) ; U15.2 v2(114.93,34.26) ; U16.2 v2(114.93,31.76) ; U27.2 114.74,3.74 114.74,4.3 v2(114.81,4.37) ; U5.2 v2(114.93,71.08) ; U26.2 v2(114.93,6.76) ; U19.2 v2(114.93,24.26) ; U24.2 v2(114.93,11.76) ; U13.2 v2(114.93,39.26) ; U10.2 v2(114.93,58.57) ; U18.2 v2(114.93,26.76) ; U22.2 v2(114.93,16.76) ; U21.2 v2(114.93,19.26) ; U8.2 v2(114.93,63.58) ; U25.2 v2(114.93,9.26) ; 114.93,55.62 v2(114.93,56.07) ; U20.2 v2(114.93,21.76) ; U14.2 v2(114.93,36.76)
  In2.Cu w0.3: v2(114.93,56.07) 113.78,56.07 112.09,54.37 112.09,53.46 111.55,52.93 109.71,52.93 109.57,52.8 109.57,43.45 109.71,43.31 111.66,43.31 112.04,42.93 112.04,41.88 112.25,41.67 v2(114.9,41.67)
  In2.Cu w1: v1(111.8,30.81) 112.7,30.81 ; v1(109.11,9.17) 113.01,9.17
  Bottom w0.4: C20.2 113.91,6.33 arc(114.46,6.44) v2(114.93,6.76)
  Bottom w0.5: C19.2 113.67,16.23 arc(114.35,16.37) v2(114.93,16.76) ; C18.2 113.32,26.23 114.41,26.23 v2(114.93,26.76) ; v2(114.93,39.26) 113.98,39.26 arc(113.38,39.38) C17.2 ; C16.2 114.01,62.65 v2(114.93,63.58) ; C44.1 105.91,11.09 D3.1
  Bottom w0.9: v1(108.74,5.64) 108.74,6.64 109.4,7.3 109.4,9.16 U32.2 106.35,9.16 105.4,10.11 C44.1
  vias: v1(110.6,9.17)
/LIGHT/APDS_IRQ: length 10.5
  Top w0.25: v2(28.19,32.82) 28.04,32.67 28.04,31.35 U30.AD22
  In2.Cu w0.15: v2(28.19,32.82) 28.19,32.82 arc(27.94,33.2) 27.85,33.64 arc(27.95,34.12) 28.22,34.53 28.77,35.08 arc(29.27,35.42) 29.88,35.54 arc(30.76,35.71) 31.51,36.22 v2(33.18,37.88)
  Bottom w0.15: R54.1 33.14,37.84 v2(33.18,37.88)
/MCU/BatOffPin: length 108.8
  Top w0.15: v2(96.97,70.59) 96.46,71.11 85.3,71.11 83.17,68.97 78.54,68.97 77.75,69.76 73.91,69.76 73.42,69.27 70.06,69.27 69.03,70.3 62.47,70.3 60.4,72.37 57.03,72.37 54.5,69.84 54.5,68.6 50.21,64.31 50.21,63.58 51.65,62.14 51.65,60.61 43.63,52.59 41.5,52.59 39.16,50.25 39.16,49.28 37.32,47.44 37.32,47.04 35.31,45.03 35.31,44.77 31.07,40.53 31,40.53 31,39.69 30.93,39.62 30.93,37.18 31.57,36.53 31.57,34.06 v2(32.26,33.36)
  Top w0.25: U30.Y23 27.72,30.01 28.04,29.69 v2(28.04,28.42)
  Bottom w0.15: v2(32.26,33.36) 31.58,33.36 arc(31.44,33.33) 31.32,33.25 31.26,33.19 arc(31.17,33.06) 31.14,32.9 31.14,32.82 arc(31.18,32.64) 31.28,32.48 31.28,32.48 arc(31.44,32.25) 31.49,31.98 31.49,31.52 arc(31.44,31.26) 31.29,31.03 arc(30.99,30.83) 30.64,30.76 28.53,30.76 arc(28.37,30.73) 28.24,30.64 28.09,30.49 arc(27.99,30.35) 27.96,30.18 27.96,28.61 arc(27.98,28.51) v2(28.04,28.42)
  Bottom w0.5: R2.1 97.19,71.3 97.44,71.55 97.44,72.49 ; v2(96.97,70.59) 96.97,71.28
